# KiCad board main.kicad_pcb (continued)
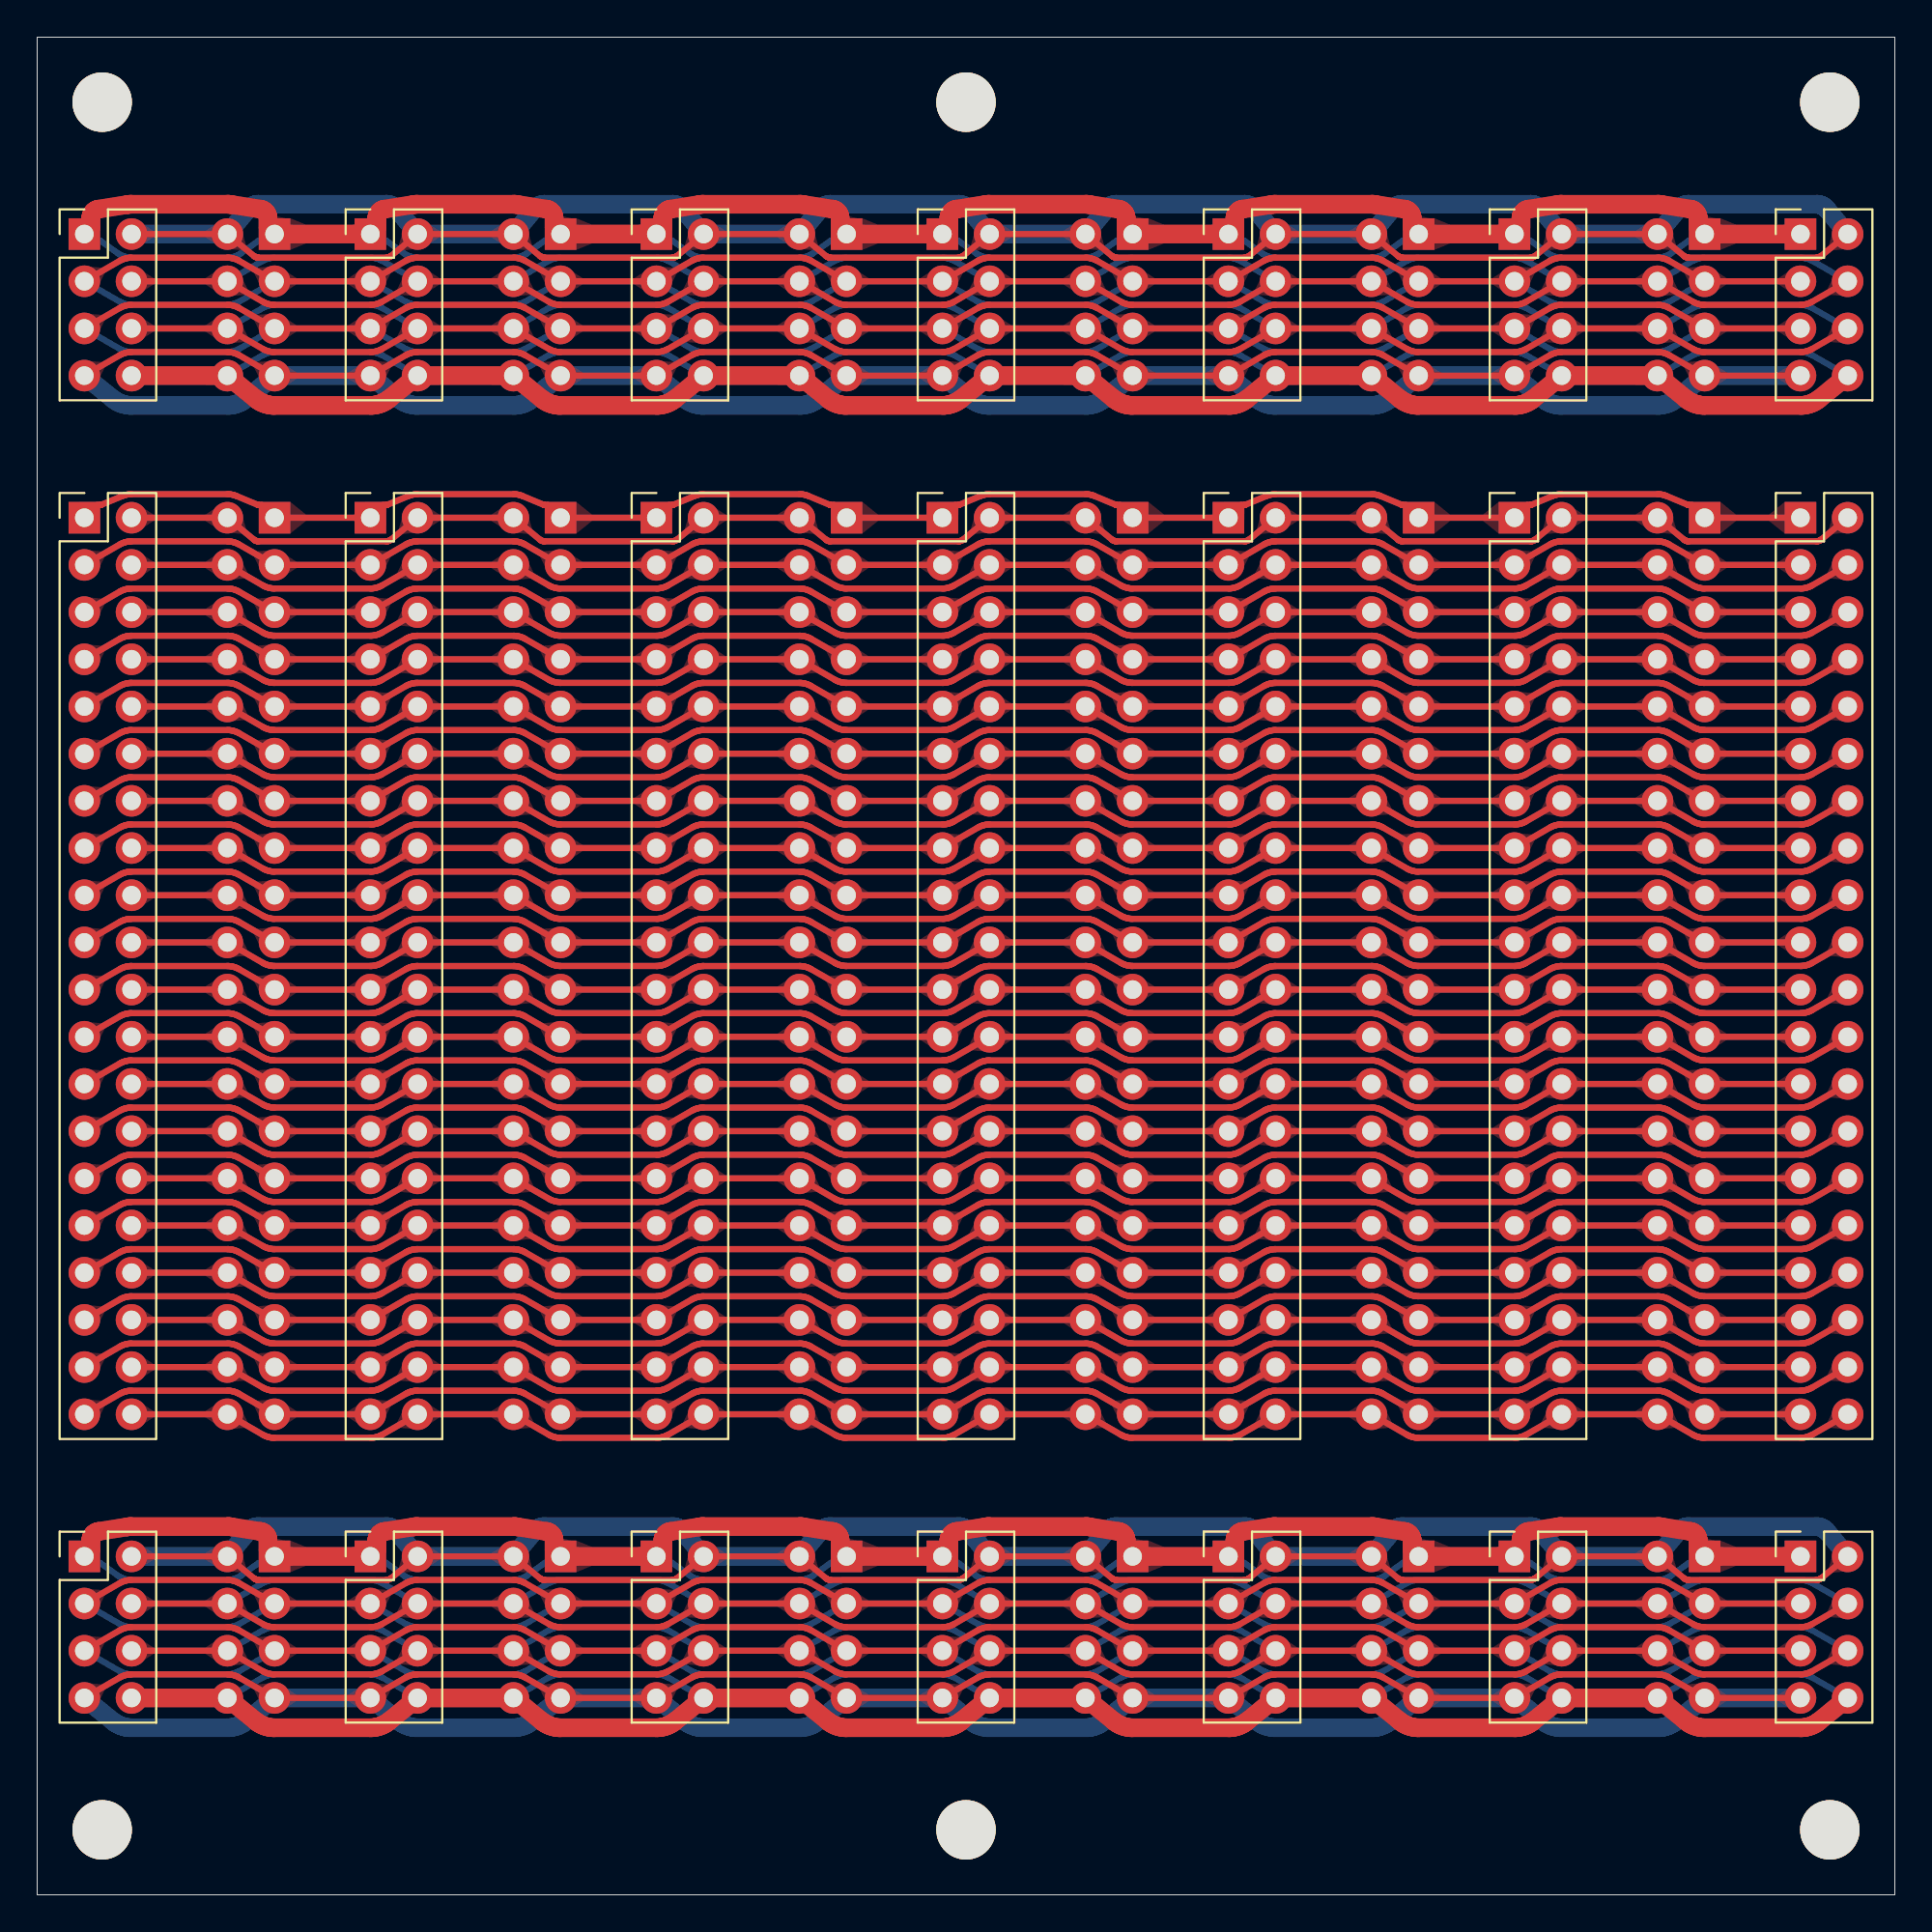
[diagram p0: board, top side]
## Routing (per net, layer and track width the routed paths; a pad name or vN(x,y) marks a point on that pad's centre or on a via; arc(x,y) is an arc through that point) (continued)
  Bottom w0.33: J29.19 J10.19 87.86,52.37 87.8,52.4 87.75,52.42 87.69,52.45 87.64,52.47 87.58,52.49 87.52,52.5 87.46,52.52 87.4,52.53 87.34,52.53 87.28,52.54 87.22,52.54 82.06,52.54 82,52.54 81.94,52.53 81.88,52.53 81.82,52.52 81.76,52.5 81.71,52.49 81.65,52.47 81.59,52.45 81.54,52.42 81.48,52.4 81.43,52.37 J30.19 J38.19 72.46,52.37 72.41,52.4 72.35,52.42 72.3,52.45 72.24,52.47 72.18,52.49 72.12,52.5 72.07,52.52 72.01,52.53 71.95,52.53 71.89,52.54 71.83,52.54 66.67,52.54 66.61,52.54 66.55,52.53 66.49,52.53 66.43,52.52 66.37,52.5 66.31,52.49 66.25,52.47 66.2,52.45 66.14,52.42 66.09,52.4 66.03,52.37 J25.19 J27.19 57.06,52.37 57.01,52.4 56.96,52.42 56.9,52.45 56.84,52.47 56.79,52.49 56.73,52.5 56.67,52.52 56.61,52.53 56.55,52.53 56.49,52.54 56.43,52.54 51.27,52.54 51.21,52.54 51.15,52.53 51.09,52.53 51.03,52.52 50.97,52.5 50.91,52.49 50.85,52.47 50.8,52.45 50.74,52.42 50.69,52.4 50.64,52.37 J11.19 J28.19 41.67,52.37 41.61,52.4 41.56,52.42 41.5,52.45 41.45,52.47 41.39,52.49 41.33,52.5 41.27,52.52 41.21,52.53 41.15,52.53 41.09,52.54 41.03,52.54 35.87,52.54 35.81,52.54 35.75,52.53 35.69,52.53 35.63,52.52 35.57,52.5 35.52,52.49 35.46,52.47 35.4,52.45 35.35,52.42 35.29,52.4 35.24,52.37 J13.19 J9.19 26.27,52.37 26.22,52.4 26.16,52.42 26.11,52.45 26.05,52.47 25.99,52.49 25.93,52.5 25.88,52.52 25.82,52.53 25.76,52.53 25.7,52.54 25.63,52.54 20.48,52.54 20.42,52.54 20.36,52.53 20.3,52.53 20.24,52.52 20.18,52.5 20.12,52.49 20.06,52.47 20.01,52.45 19.95,52.42 19.9,52.4 19.84,52.37 J12.19 J26.19 10.87,52.37 10.82,52.4 10.77,52.42 10.71,52.45 10.65,52.47 10.6,52.49 10.54,52.5 10.48,52.52 10.42,52.53 10.36,52.53 10.3,52.54 10.24,52.54 5.08,52.54 5.02,52.54 4.96,52.53 4.9,52.53 4.84,52.52 4.78,52.5 4.72,52.49 4.66,52.47 4.61,52.45 4.55,52.42 4.5,52.4 4.45,52.37 J3.19
~{F_EXMEM}: length 192.5
  Top w0.33: J3.4 J26.4 12.14,70.49 12.2,70.46 12.25,70.44 12.31,70.41 12.36,70.39 12.42,70.37 12.48,70.36 12.54,70.34 12.6,70.33 12.66,70.33 12.72,70.32 12.78,70.32 17.94,70.32 18,70.32 18.06,70.33 18.12,70.33 18.18,70.34 18.24,70.36 18.29,70.37 18.35,70.39 18.41,70.41 18.46,70.44 18.52,70.46 18.57,70.49 J12.4 J9.4 27.54,70.49 27.59,70.46 27.65,70.44 27.7,70.41 27.76,70.39 27.82,70.37 27.88,70.36 27.93,70.34 27.99,70.33 28.05,70.33 28.11,70.32 28.17,70.32 33.33,70.32 33.39,70.32 33.45,70.33 33.51,70.33 33.57,70.34 33.63,70.36 33.69,70.37 33.75,70.39 33.8,70.41 33.86,70.44 33.91,70.46 33.97,70.49 J13.4 J28.4 42.94,70.49 42.99,70.46 43.04,70.44 43.1,70.41 43.16,70.39 43.21,70.37 43.27,70.36 43.33,70.34 43.39,70.33 43.45,70.33 43.51,70.32 43.57,70.32 48.73,70.32 48.79,70.32 48.85,70.33 48.91,70.33 48.97,70.34 49.03,70.36 49.09,70.37 49.15,70.39 49.2,70.41 49.26,70.44 49.31,70.46 49.36,70.49 J11.4 J27.4 58.33,70.49 58.39,70.46 58.44,70.44 58.5,70.41 58.55,70.39 58.61,70.37 58.67,70.36 58.73,70.34 58.79,70.33 58.85,70.33 58.91,70.32 58.97,70.32 64.13,70.32 64.19,70.32 64.25,70.33 64.31,70.33 64.37,70.34 64.43,70.36 64.48,70.37 64.54,70.39 64.6,70.41 64.65,70.44 64.71,70.46 64.76,70.49 J25.4 J38.4 73.73,70.49 73.78,70.46 73.84,70.44 73.89,70.41 73.95,70.39 74.01,70.37 74.07,70.36 74.12,70.34 74.18,70.33 74.24,70.33 74.3,70.32 74.36,70.32 79.52,70.32 79.58,70.32 79.64,70.33 79.7,70.33 79.76,70.34 79.82,70.36 79.88,70.37 79.94,70.39 79.99,70.41 80.05,70.44 80.1,70.46 80.16,70.49 J30.4 J10.4 89.13,70.49 89.18,70.46 89.23,70.44 89.29,70.41 89.35,70.39 89.4,70.37 89.46,70.36 89.52,70.34 89.58,70.33 89.64,70.33 89.7,70.32 89.76,70.32 94.92,70.32 94.98,70.32 95.04,70.33 95.1,70.33 95.16,70.34 95.22,70.36 95.28,70.37 95.34,70.39 95.39,70.41 95.45,70.44 95.5,70.46 95.55,70.49 J29.4
  Bottom w0.33: J3.4 J26.4 12.14,70.49 12.2,70.46 12.25,70.44 12.31,70.41 12.36,70.39 12.42,70.37 12.48,70.36 12.54,70.34 12.6,70.33 12.66,70.33 12.72,70.32 12.78,70.32 17.94,70.32 18,70.32 18.06,70.33 18.12,70.33 18.18,70.34 18.24,70.36 18.29,70.37 18.35,70.39 18.41,70.41 18.46,70.44 18.52,70.46 18.57,70.49 J12.4 J9.4 27.54,70.49 27.59,70.46 27.65,70.44 27.7,70.41 27.76,70.39 27.82,70.37 27.88,70.36 27.93,70.34 27.99,70.33 28.05,70.33 28.11,70.32 28.17,70.32 33.33,70.32 33.39,70.32 33.45,70.33 33.51,70.33 33.57,70.34 33.63,70.36 33.69,70.37 33.75,70.39 33.8,70.41 33.86,70.44 33.91,70.46 33.97,70.49 J13.4 J28.4 42.94,70.49 42.99,70.46 43.04,70.44 43.1,70.41 43.16,70.39 43.21,70.37 43.27,70.36 43.33,70.34 43.39,70.33 43.45,70.33 43.51,70.32 43.57,70.32 48.73,70.32 48.79,70.32 48.85,70.33 48.91,70.33 48.97,70.34 49.03,70.36 49.09,70.37 49.15,70.39 49.2,70.41 49.26,70.44 49.31,70.46 49.36,70.49 J11.4 J27.4 58.33,70.49 58.39,70.46 58.44,70.44 58.5,70.41 58.55,70.39 58.61,70.37 58.67,70.36 58.73,70.34 58.79,70.33 58.85,70.33 58.91,70.32 58.97,70.32 64.13,70.32 64.19,70.32 64.25,70.33 64.31,70.33 64.37,70.34 64.43,70.36 64.48,70.37 64.54,70.39 64.6,70.41 64.65,70.44 64.71,70.46 64.76,70.49 J25.4 J38.4 73.73,70.49 73.78,70.46 73.84,70.44 73.89,70.41 73.95,70.39 74.01,70.37 74.07,70.36 74.12,70.34 74.18,70.33 74.24,70.33 74.3,70.32 74.36,70.32 79.52,70.32 79.58,70.32 79.64,70.33 79.7,70.33 79.76,70.34 79.82,70.36 79.88,70.37 79.94,70.39 79.99,70.41 80.05,70.44 80.1,70.46 80.16,70.49 J30.4 J10.4 89.13,70.49 89.18,70.46 89.23,70.44 89.29,70.41 89.35,70.39 89.4,70.37 89.46,70.36 89.52,70.34 89.58,70.33 89.64,70.33 89.7,70.32 89.76,70.32 94.92,70.32 94.98,70.32 95.04,70.33 95.1,70.33 95.16,70.34 95.22,70.36 95.28,70.37 95.34,70.39 95.39,70.41 95.45,70.44 95.5,70.46 95.55,70.49 J29.4
~{F_INTAK}: length 192.5
  Top w0.33: J29.13 J10.13 87.86,59.99 87.8,60.02 87.75,60.04 87.69,60.07 87.64,60.09 87.58,60.11 87.52,60.12 87.46,60.14 87.4,60.15 87.34,60.15 87.28,60.16 87.22,60.16 82.06,60.16 82,60.16 81.94,60.15 81.88,60.15 81.82,60.14 81.76,60.12 81.71,60.11 81.65,60.09 81.59,60.07 81.54,60.04 81.48,60.02 81.43,59.99 J30.13 J38.13 72.46,59.99 72.41,60.02 72.35,60.04 72.3,60.07 72.24,60.09 72.18,60.11 72.12,60.12 72.07,60.14 72.01,60.15 71.95,60.15 71.89,60.16 71.83,60.16 66.67,60.16 66.61,60.16 66.55,60.15 66.49,60.15 66.43,60.14 66.37,60.12 66.31,60.11 66.25,60.09 66.2,60.07 66.14,60.04 66.09,60.02 66.03,59.99 J25.13 J27.13 57.06,59.99 57.01,60.02 56.96,60.04 56.9,60.07 56.84,60.09 56.79,60.11 56.73,60.12 56.67,60.14 56.61,60.15 56.55,60.15 56.49,60.16 56.43,60.16 51.27,60.16 51.21,60.16 51.15,60.15 51.09,60.15 51.03,60.14 50.97,60.12 50.91,60.11 50.85,60.09 50.8,60.07 50.74,60.04 50.69,60.02 50.64,59.99 J11.13 J28.13 41.67,59.99 41.61,60.02 41.56,60.04 41.5,60.07 41.45,60.09 41.39,60.11 41.33,60.12 41.27,60.14 41.21,60.15 41.15,60.15 41.09,60.16 41.03,60.16 35.87,60.16 35.81,60.16 35.75,60.15 35.69,60.15 35.63,60.14 35.57,60.12 35.52,60.11 35.46,60.09 35.4,60.07 35.35,60.04 35.29,60.02 35.24,59.99 J13.13 J9.13 26.27,59.99 26.22,60.02 26.16,60.04 26.11,60.07 26.05,60.09 25.99,60.11 25.93,60.12 25.88,60.14 25.82,60.15 25.76,60.15 25.7,60.16 25.63,60.16 20.48,60.16 20.42,60.16 20.36,60.15 20.3,60.15 20.24,60.14 20.18,60.12 20.12,60.11 20.06,60.09 20.01,60.07 19.95,60.04 19.9,60.02 19.84,59.99 J12.13 J26.13 10.87,59.99 10.82,60.02 10.77,60.04 10.71,60.07 10.65,60.09 10.6,60.11 10.54,60.12 10.48,60.14 10.42,60.15 10.36,60.15 10.3,60.16 10.24,60.16 5.08,60.16 5.02,60.16 4.96,60.15 4.9,60.15 4.84,60.14 4.78,60.12 4.72,60.11 4.66,60.09 4.61,60.07 4.55,60.04 4.5,60.02 4.45,59.99 J3.13
  Bottom w0.33: J3.13 4.45,59.99 4.5,60.02 4.55,60.04 4.61,60.07 4.66,60.09 4.72,60.11 4.78,60.12 4.84,60.14 4.9,60.15 4.96,60.15 5.02,60.16 5.08,60.16 10.24,60.16 10.3,60.16 10.36,60.15 10.42,60.15 10.48,60.14 10.54,60.12 10.6,60.11 10.65,60.09 10.71,60.07 10.77,60.04 10.82,60.02 10.87,59.99 J26.13 J12.13 19.84,59.99 19.9,60.02 19.95,60.04 20.01,60.07 20.06,60.09 20.12,60.11 20.18,60.12 20.24,60.14 20.3,60.15 20.36,60.15 20.42,60.16 20.48,60.16 25.63,60.16 25.7,60.16 25.76,60.15 25.82,60.15 25.88,60.14 25.93,60.12 25.99,60.11 26.05,60.09 26.11,60.07 26.16,60.04 26.22,60.02 26.27,59.99 J9.13 J13.13 35.24,59.99 35.29,60.02 35.35,60.04 35.4,60.07 35.46,60.09 35.52,60.11 35.57,60.12 35.63,60.14 35.69,60.15 35.75,60.15 35.81,60.16 35.87,60.16 41.03,60.16 41.09,60.16 41.15,60.15 41.21,60.15 41.27,60.14 41.33,60.12 41.39,60.11 41.45,60.09 41.5,60.07 41.56,60.04 41.61,60.02 41.67,59.99 J28.13 J11.13 50.64,59.99 50.69,60.02 50.74,60.04 50.8,60.07 50.85,60.09 50.91,60.11 50.97,60.12 51.03,60.14 51.09,60.15 51.15,60.15 51.21,60.16 51.27,60.16 56.43,60.16 56.49,60.16 56.55,60.15 56.61,60.15 56.67,60.14 56.73,60.12 56.79,60.11 56.84,60.09 56.9,60.07 56.96,60.04 57.01,60.02 57.06,59.99 J27.13 J25.13 66.03,59.99 66.09,60.02 66.14,60.04 66.2,60.07 66.25,60.09 66.31,60.11 66.37,60.12 66.43,60.14 66.49,60.15 66.55,60.15 66.61,60.16 66.67,60.16 71.83,60.16 71.89,60.16 71.95,60.15 72.01,60.15 72.07,60.14 72.12,60.12 72.18,60.11 72.24,60.09 72.3,60.07 72.35,60.04 72.41,60.02 72.46,59.99 J38.13 J30.13 81.43,59.99 81.48,60.02 81.54,60.04 81.59,60.07 81.65,60.09 81.71,60.11 81.76,60.12 81.82,60.14 81.88,60.15 81.94,60.15 82,60.16 82.06,60.16 87.22,60.16 87.28,60.16 87.34,60.15 87.4,60.15 87.46,60.14 87.52,60.12 87.58,60.11 87.64,60.09 87.69,60.07 87.75,60.04 87.8,60.02 87.86,59.99 J10.13 J29.13
~{F_INT}: length 192.5
  Top w0.33: J3.22 J26.22 12.14,47.63 12.2,47.6 12.25,47.58 12.31,47.55 12.36,47.53 12.42,47.51 12.48,47.5 12.54,47.48 12.6,47.47 12.66,47.47 12.72,47.46 12.78,47.46 17.94,47.46 18,47.46 18.06,47.47 18.12,47.47 18.18,47.48 18.24,47.5 18.29,47.51 18.35,47.53 18.41,47.55 18.46,47.58 18.52,47.6 18.57,47.63 J12.22 J9.22 27.54,47.63 27.59,47.6 27.65,47.58 27.7,47.55 27.76,47.53 27.82,47.51 27.88,47.5 27.93,47.48 27.99,47.47 28.05,47.47 28.11,47.46 28.17,47.46 33.33,47.46 33.39,47.46 33.45,47.47 33.51,47.47 33.57,47.48 33.63,47.5 33.69,47.51 33.75,47.53 33.8,47.55 33.86,47.58 33.91,47.6 33.97,47.63 J13.22 J28.22 42.94,47.63 42.99,47.6 43.04,47.58 43.1,47.55 43.16,47.53 43.21,47.51 43.27,47.5 43.33,47.48 43.39,47.47 43.45,47.47 43.51,47.46 43.57,47.46 48.73,47.46 48.79,47.46 48.85,47.47 48.91,47.47 48.97,47.48 49.03,47.5 49.09,47.51 49.15,47.53 49.2,47.55 49.26,47.58 49.31,47.6 49.36,47.63 J11.22 J27.22 58.33,47.63 58.39,47.6 58.44,47.58 58.5,47.55 58.55,47.53 58.61,47.51 58.67,47.5 58.73,47.48 58.79,47.47 58.85,47.47 58.91,47.46 58.97,47.46 64.13,47.46 64.19,47.46 64.25,47.47 64.31,47.47 64.37,47.48 64.43,47.5 64.48,47.51 64.54,47.53 64.6,47.55 64.65,47.58 64.71,47.6 64.76,47.63 J25.22 J38.22 73.73,47.63 73.78,47.6 73.84,47.58 73.89,47.55 73.95,47.53 74.01,47.51 74.07,47.5 74.12,47.48 74.18,47.47 74.24,47.47 74.3,47.46 74.36,47.46 79.52,47.46 79.58,47.46 79.64,47.47 79.7,47.47 79.76,47.48 79.82,47.5 79.88,47.51 79.94,47.53 79.99,47.55 80.05,47.58 80.1,47.6 80.16,47.63 J30.22 J10.22 89.13,47.63 89.18,47.6 89.23,47.58 89.29,47.55 89.35,47.53 89.4,47.51 89.46,47.5 89.52,47.48 89.58,47.47 89.64,47.47 89.7,47.46 89.76,47.46 94.92,47.46 94.98,47.46 95.04,47.47 95.1,47.47 95.16,47.48 95.22,47.5 95.28,47.51 95.34,47.53 95.39,47.55 95.45,47.58 95.5,47.6 95.55,47.63 J29.22
  Bottom w0.33: J29.22 95.55,47.63 95.5,47.6 95.45,47.58 95.39,47.55 95.34,47.53 95.28,47.51 95.22,47.5 95.16,47.48 95.1,47.47 95.04,47.47 94.98,47.46 94.92,47.46 89.76,47.46 89.7,47.46 89.64,47.47 89.58,47.47 89.52,47.48 89.46,47.5 89.4,47.51 89.35,47.53 89.29,47.55 89.23,47.58 89.18,47.6 89.13,47.63 J10.22 J30.22 80.16,47.63 80.1,47.6 80.05,47.58 79.99,47.55 79.94,47.53 79.88,47.51 79.82,47.5 79.76,47.48 79.7,47.47 79.64,47.47 79.58,47.46 79.52,47.46 74.36,47.46 74.3,47.46 74.24,47.47 74.18,47.47 74.12,47.48 74.07,47.5 74.01,47.51 73.95,47.53 73.89,47.55 73.84,47.58 73.78,47.6 73.73,47.63 J38.22 J25.22 64.76,47.63 64.71,47.6 64.65,47.58 64.6,47.55 64.54,47.53 64.48,47.51 64.43,47.5 64.37,47.48 64.31,47.47 64.25,47.47 64.19,47.46 64.13,47.46 58.97,47.46 58.91,47.46 58.85,47.47 58.79,47.47 58.73,47.48 58.67,47.5 58.61,47.51 58.55,47.53 58.5,47.55 58.44,47.58 58.39,47.6 58.33,47.63 J27.22 J11.22 49.36,47.63 49.31,47.6 49.26,47.58 49.2,47.55 49.15,47.53 49.09,47.51 49.03,47.5 48.97,47.48 48.91,47.47 48.85,47.47 48.79,47.46 48.73,47.46 43.57,47.46 43.51,47.46 43.45,47.47 43.39,47.47 43.33,47.48 43.27,47.5 43.21,47.51 43.16,47.53 43.1,47.55 43.04,47.58 42.99,47.6 42.94,47.63 J28.22 J13.22 33.97,47.63 33.91,47.6 33.86,47.58 33.8,47.55 33.75,47.53 33.69,47.51 33.63,47.5 33.57,47.48 33.51,47.47 33.45,47.47 33.39,47.46 33.33,47.46 28.17,47.46 28.11,47.46 28.05,47.47 27.99,47.47 27.93,47.48 27.88,47.5 27.82,47.51 27.76,47.53 27.7,47.55 27.65,47.58 27.59,47.6 27.54,47.63 J9.22 J12.22 18.57,47.63 18.52,47.6 18.46,47.58 18.41,47.55 18.35,47.53 18.29,47.51 18.24,47.5 18.18,47.48 18.12,47.47 18.06,47.47 18,47.46 17.94,47.46 12.78,47.46 12.72,47.46 12.66,47.47 12.6,47.47 12.54,47.48 12.48,47.5 12.42,47.51 12.36,47.53 12.31,47.55 12.25,47.58 12.2,47.6 12.14,47.63 J26.22 J3.22
~{F_INUSE}: length 192.5
  Top w0.33: J3.15 4.45,57.45 4.5,57.48 4.55,57.5 4.61,57.53 4.66,57.55 4.72,57.57 4.78,57.58 4.84,57.6 4.9,57.61 4.96,57.61 5.02,57.62 5.08,57.62 10.24,57.62 10.3,57.62 10.36,57.61 10.42,57.61 10.48,57.6 10.54,57.58 10.6,57.57 10.65,57.55 10.71,57.53 10.77,57.5 10.82,57.48 10.87,57.45 J26.15 J12.15 19.84,57.45 19.9,57.48 19.95,57.5 20.01,57.53 20.06,57.55 20.12,57.57 20.18,57.58 20.24,57.6 20.3,57.61 20.36,57.61 20.42,57.62 20.48,57.62 25.63,57.62 25.7,57.62 25.76,57.61 25.82,57.61 25.88,57.6 25.93,57.58 25.99,57.57 26.05,57.55 26.11,57.53 26.16,57.5 26.22,57.48 26.27,57.45 J9.15 J13.15 35.24,57.45 35.29,57.48 35.35,57.5 35.4,57.53 35.46,57.55 35.52,57.57 35.57,57.58 35.63,57.6 35.69,57.61 35.75,57.61 35.81,57.62 35.87,57.62 41.03,57.62 41.09,57.62 41.15,57.61 41.21,57.61 41.27,57.6 41.33,57.58 41.39,57.57 41.45,57.55 41.5,57.53 41.56,57.5 41.61,57.48 41.67,57.45 J28.15 J11.15 50.64,57.45 50.69,57.48 50.74,57.5 50.8,57.53 50.85,57.55 50.91,57.57 50.97,57.58 51.03,57.6 51.09,57.61 51.15,57.61 51.21,57.62 51.27,57.62 56.43,57.62 56.49,57.62 56.55,57.61 56.61,57.61 56.67,57.6 56.73,57.58 56.79,57.57 56.84,57.55 56.9,57.53 56.96,57.5 57.01,57.48 57.06,57.45 J27.15 J25.15 66.03,57.45 66.09,57.48 66.14,57.5 66.2,57.53 66.25,57.55 66.31,57.57 66.37,57.58 66.43,57.6 66.49,57.61 66.55,57.61 66.61,57.62 66.67,57.62 71.83,57.62 71.89,57.62 71.95,57.61 72.01,57.61 72.07,57.6 72.12,57.58 72.18,57.57 72.24,57.55 72.3,57.53 72.35,57.5 72.41,57.48 72.46,57.45 J38.15 J30.15 81.43,57.45 81.48,57.48 81.54,57.5 81.59,57.53 81.65,57.55 81.71,57.57 81.76,57.58 81.82,57.6 81.88,57.61 81.94,57.61 82,57.62 82.06,57.62 87.22,57.62 87.28,57.62 87.34,57.61 87.4,57.61 87.46,57.6 87.52,57.58 87.58,57.57 87.64,57.55 87.69,57.53 87.75,57.5 87.8,57.48 87.86,57.45 J10.15 J29.15
  Bottom w0.33: J3.15 4.45,57.45 4.5,57.48 4.55,57.5 4.61,57.53 4.66,57.55 4.72,57.57 4.78,57.58 4.84,57.6 4.9,57.61 4.96,57.61 5.02,57.62 5.08,57.62 10.24,57.62 10.3,57.62 10.36,57.61 10.42,57.61 10.48,57.6 10.54,57.58 10.6,57.57 10.65,57.55 10.71,57.53 10.77,57.5 10.82,57.48 10.87,57.45 J26.15 J12.15 19.84,57.45 19.9,57.48 19.95,57.5 20.01,57.53 20.06,57.55 20.12,57.57 20.18,57.58 20.24,57.6 20.3,57.61 20.36,57.61 20.42,57.62 20.48,57.62 25.63,57.62 25.7,57.62 25.76,57.61 25.82,57.61 25.88,57.6 25.93,57.58 25.99,57.57 26.05,57.55 26.11,57.53 26.16,57.5 26.22,57.48 26.27,57.45 J9.15 J13.15 35.24,57.45 35.29,57.48 35.35,57.5 35.4,57.53 35.46,57.55 35.52,57.57 35.57,57.58 35.63,57.6 35.69,57.61 35.75,57.61 35.81,57.62 35.87,57.62 41.03,57.62 41.09,57.62 41.15,57.61 41.21,57.61 41.27,57.6 41.33,57.58 41.39,57.57 41.45,57.55 41.5,57.53 41.56,57.5 41.61,57.48 41.67,57.45 J28.15 J11.15 50.64,57.45 50.69,57.48 50.74,57.5 50.8,57.53 50.85,57.55 50.91,57.57 50.97,57.58 51.03,57.6 51.09,57.61 51.15,57.61 51.21,57.62 51.27,57.62 56.43,57.62 56.49,57.62 56.55,57.61 56.61,57.61 56.67,57.6 56.73,57.58 56.79,57.57 56.84,57.55 56.9,57.53 56.96,57.5 57.01,57.48 57.06,57.45 J27.15 J25.15 66.03,57.45 66.09,57.48 66.14,57.5 66.2,57.53 66.25,57.55 66.31,57.57 66.37,57.58 66.43,57.6 66.49,57.61 66.55,57.61 66.61,57.62 66.67,57.62 71.83,57.62 71.89,57.62 71.95,57.61 72.01,57.61 72.07,57.6 72.12,57.58 72.18,57.57 72.24,57.55 72.3,57.53 72.35,57.5 72.41,57.48 72.46,57.45 J38.15 J30.15 81.43,57.45 81.48,57.48 81.54,57.5 81.59,57.53 81.65,57.55 81.71,57.57 81.76,57.58 81.82,57.6 81.88,57.61 81.94,57.61 82,57.62 82.06,57.62 87.22,57.62 87.28,57.62 87.34,57.61 87.4,57.61 87.46,57.6 87.52,57.58 87.58,57.57 87.64,57.55 87.69,57.53 87.75,57.5 87.8,57.48 87.86,57.45 J10.15 J29.15
~{F_IN}: length 192.5
  Top w0.33: J3.20 J26.20 12.14,50.17 12.2,50.14 12.25,50.12 12.31,50.09 12.36,50.07 12.42,50.05 12.48,50.04 12.54,50.02 12.6,50.01 12.66,50.01 12.72,50 12.78,50 17.94,50 18,50 18.06,50.01 18.12,50.01 18.18,50.02 18.24,50.04 18.29,50.05 18.35,50.07 18.41,50.09 18.46,50.12 18.52,50.14 18.57,50.17 J12.20 J9.20 27.54,50.17 27.59,50.14 27.65,50.12 27.7,50.09 27.76,50.07 27.82,50.05 27.88,50.04 27.93,50.02 27.99,50.01 28.05,50.01 28.11,50 28.17,50 33.33,50 33.39,50 33.45,50.01 33.51,50.01 33.57,50.02 33.63,50.04 33.69,50.05 33.75,50.07 33.8,50.09 33.86,50.12 33.91,50.14 33.97,50.17 J13.20 J28.20 42.94,50.17 42.99,50.14 43.04,50.12 43.1,50.09 43.16,50.07 43.21,50.05 43.27,50.04 43.33,50.02 43.39,50.01 43.45,50.01 43.51,50 43.57,50 48.73,50 48.79,50 48.85,50.01 48.91,50.01 48.97,50.02 49.03,50.04 49.09,50.05 49.15,50.07 49.2,50.09 49.26,50.12 49.31,50.14 49.36,50.17 J11.20 J27.20 58.33,50.17 58.39,50.14 58.44,50.12 58.5,50.09 58.55,50.07 58.61,50.05 58.67,50.04 58.73,50.02 58.79,50.01 58.85,50.01 58.91,50 58.97,50 64.13,50 64.19,50 64.25,50.01 64.31,50.01 64.37,50.02 64.43,50.04 64.48,50.05 64.54,50.07 64.6,50.09 64.65,50.12 64.71,50.14 64.76,50.17 J25.20 J38.20 73.73,50.17 73.78,50.14 73.84,50.12 73.89,50.09 73.95,50.07 74.01,50.05 74.07,50.04 74.12,50.02 74.18,50.01 74.24,50.01 74.3,50 74.36,50 79.52,50 79.58,50 79.64,50.01 79.7,50.01 79.76,50.02 79.82,50.04 79.88,50.05 79.94,50.07 79.99,50.09 80.05,50.12 80.1,50.14 80.16,50.17 J30.20 J10.20 89.13,50.17 89.18,50.14 89.23,50.12 89.29,50.09 89.35,50.07 89.4,50.05 89.46,50.04 89.52,50.02 89.58,50.01 89.64,50.01 89.7,50 89.76,50 94.92,50 94.98,50 95.04,50.01 95.1,50.01 95.16,50.02 95.22,50.04 95.28,50.05 95.34,50.07 95.39,50.09 95.45,50.12 95.5,50.14 95.55,50.17 J29.20
  Bottom w0.33: J3.20 J26.20 12.14,50.17 12.2,50.14 12.25,50.12 12.31,50.09 12.36,50.07 12.42,50.05 12.48,50.04 12.54,50.02 12.6,50.01 12.66,50.01 12.72,50 12.78,50 17.94,50 18,50 18.06,50.01 18.12,50.01 18.18,50.02 18.24,50.04 18.29,50.05 18.35,50.07 18.41,50.09 18.46,50.12 18.52,50.14 18.57,50.17 J12.20 J9.20 27.54,50.17 27.59,50.14 27.65,50.12 27.7,50.09 27.76,50.07 27.82,50.05 27.88,50.04 27.93,50.02 27.99,50.01 28.05,50.01 28.11,50 28.17,50 33.33,50 33.39,50 33.45,50.01 33.51,50.01 33.57,50.02 33.63,50.04 33.69,50.05 33.75,50.07 33.8,50.09 33.86,50.12 33.91,50.14 33.97,50.17 J13.20 J28.20 42.94,50.17 42.99,50.14 43.04,50.12 43.1,50.09 43.16,50.07 43.21,50.05 43.27,50.04 43.33,50.02 43.39,50.01 43.45,50.01 43.51,50 43.57,50 48.73,50 48.79,50 48.85,50.01 48.91,50.01 48.97,50.02 49.03,50.04 49.09,50.05 49.15,50.07 49.2,50.09 49.26,50.12 49.31,50.14 49.36,50.17 J11.20 J27.20 58.33,50.17 58.39,50.14 58.44,50.12 58.5,50.09 58.55,50.07 58.61,50.05 58.67,50.04 58.73,50.02 58.79,50.01 58.85,50.01 58.91,50 58.97,50 64.13,50 64.19,50 64.25,50.01 64.31,50.01 64.37,50.02 64.43,50.04 64.48,50.05 64.54,50.07 64.6,50.09 64.65,50.12 64.71,50.14 64.76,50.17 J25.20 J38.20 73.73,50.17 73.78,50.14 73.84,50.12 73.89,50.09 73.95,50.07 74.01,50.05 74.07,50.04 74.12,50.02 74.18,50.01 74.24,50.01 74.3,50 74.36,50 79.52,50 79.58,50 79.64,50.01 79.7,50.01 79.76,50.02 79.82,50.04 79.88,50.05 79.94,50.07 79.99,50.09 80.05,50.12 80.1,50.14 80.16,50.17 J30.20 J10.20 89.13,50.17 89.18,50.14 89.23,50.12 89.29,50.09 89.35,50.07 89.4,50.05 89.46,50.04 89.52,50.02 89.58,50.01 89.64,50.01 89.7,50 89.76,50 94.92,50 94.98,50 95.04,50.01 95.1,50.01 95.16,50.02 95.22,50.04 95.28,50.05 95.34,50.07 95.39,50.09 95.45,50.12 95.5,50.14 95.55,50.17 J29.20
~{F_MREQ}: length 195.4
  Top w0.33: J29.2 96.04,72.96 96.02,72.94 96,72.93 95.99,72.92 95.97,72.91 95.95,72.9 95.93,72.89 95.91,72.89 95.89,72.88 95.87,72.87 95.85,72.87 95.83,72.87 95.81,72.86 95.79,72.86 95.77,72.86 88.91,72.86 88.89,72.86 88.87,72.86 88.85,72.87 88.83,72.87 88.81,72.87 88.79,72.88 88.77,72.89 88.75,72.89 88.73,72.9 88.71,72.91 88.7,72.92 88.68,72.93 88.66,72.94 88.64,72.96 J10.2 J30.2 80.64,72.96 80.62,72.94 80.61,72.93 80.59,72.92 80.57,72.91 80.55,72.9 80.53,72.89 80.52,72.89 80.5,72.88 80.48,72.87 80.46,72.87 80.44,72.87 80.41,72.86 80.39,72.86 80.37,72.86 73.52,72.86 73.49,72.86 73.47,72.86 73.45,72.87 73.43,72.87 73.41,72.87 73.39,72.88 73.37,72.89 73.35,72.89 73.34,72.9 73.32,72.91 73.3,72.92 73.28,72.93 73.26,72.94 73.25,72.96 J38.2 J25.2 65.24,72.96 65.23,72.94 65.21,72.93 65.19,72.92 65.18,72.91 65.16,72.9 65.14,72.89 65.12,72.89 65.1,72.88 65.08,72.87 65.06,72.87 65.04,72.87 65.02,72.86 65,72.86 64.98,72.86 58.12,72.86 58.1,72.86 58.08,72.86 58.06,72.87 58.04,72.87 58.02,72.87 58,72.88 57.98,72.89 57.96,72.89 57.94,72.9 57.92,72.91 57.9,72.92 57.88,72.93 57.87,72.94 57.85,72.96 J27.2 J11.2 49.85,72.96 49.83,72.94 49.81,72.93 49.8,72.92 49.78,72.91 49.76,72.9 49.74,72.89 49.72,72.89 49.7,72.88 49.68,72.87 49.66,72.87 49.64,72.87 49.62,72.86 49.6,72.86 49.58,72.86 42.72,72.86 42.7,72.86 42.68,72.86 42.66,72.87 42.64,72.87 42.62,72.87 42.6,72.88 42.58,72.89 42.56,72.89 42.54,72.9 42.52,72.91 42.51,72.92 42.49,72.93 42.47,72.94 42.45,72.96 J28.2 J13.2 34.45,72.96 34.43,72.94 34.42,72.93 34.4,72.92 34.38,72.91 34.36,72.9 34.34,72.89 34.33,72.89 34.31,72.88 34.29,72.87 34.27,72.87 34.25,72.87 34.22,72.86 34.2,72.86 34.18,72.86 27.33,72.86 27.3,72.86 27.28,72.86 27.26,72.87 27.24,72.87 27.22,72.87 27.2,72.88 27.18,72.89 27.16,72.89 27.15,72.9 27.13,72.91 27.11,72.92 27.09,72.93 27.07,72.94 27.06,72.96 J9.2 J12.2 19.05,72.96 19.04,72.94 19.02,72.93 19,72.92 18.99,72.91 18.97,72.9 18.95,72.89 18.93,72.89 18.91,72.88 18.89,72.87 18.87,72.87 18.85,72.87 18.83,72.86 18.81,72.86 18.79,72.86 11.93,72.86 11.91,72.86 11.89,72.86 11.87,72.87 11.85,72.87 11.83,72.87 11.81,72.88 11.79,72.89 11.77,72.89 11.75,72.9 11.73,72.91 11.71,72.92 11.69,72.93 11.68,72.94 11.66,72.96 J26.2 J3.2
  Bottom w0.33: J29.2 96.04,72.96 96.02,72.94 96,72.93 95.99,72.92 95.97,72.91 95.95,72.9 95.93,72.89 95.91,72.89 95.89,72.88 95.87,72.87 95.85,72.87 95.83,72.87 95.81,72.86 95.79,72.86 95.77,72.86 88.91,72.86 88.89,72.86 88.87,72.86 88.85,72.87 88.83,72.87 88.81,72.87 88.79,72.88 88.77,72.89 88.75,72.89 88.73,72.9 88.71,72.91 88.7,72.92 88.68,72.93 88.66,72.94 88.64,72.96 J10.2 J30.2 80.64,72.96 80.62,72.94 80.61,72.93 80.59,72.92 80.57,72.91 80.55,72.9 80.53,72.89 80.52,72.89 80.5,72.88 80.48,72.87 80.46,72.87 80.44,72.87 80.41,72.86 80.39,72.86 80.37,72.86 73.52,72.86 73.49,72.86 73.47,72.86 73.45,72.87 73.43,72.87 73.41,72.87 73.39,72.88 73.37,72.89 73.35,72.89 73.34,72.9 73.32,72.91 73.3,72.92 73.28,72.93 73.26,72.94 73.25,72.96 J38.2 J25.2 65.24,72.96 65.23,72.94 65.21,72.93 65.19,72.92 65.18,72.91 65.16,72.9 65.14,72.89 65.12,72.89 65.1,72.88 65.08,72.87 65.06,72.87 65.04,72.87 65.02,72.86 65,72.86 64.98,72.86 58.12,72.86 58.1,72.86 58.08,72.86 58.06,72.87 58.04,72.87 58.02,72.87 58,72.88 57.98,72.89 57.96,72.89 57.94,72.9 57.92,72.91 57.9,72.92 57.88,72.93 57.87,72.94 57.85,72.96 J27.2 J11.2 49.85,72.96 49.83,72.94 49.81,72.93 49.8,72.92 49.78,72.91 49.76,72.9 49.74,72.89 49.72,72.89 49.7,72.88 49.68,72.87 49.66,72.87 49.64,72.87 49.62,72.86 49.6,72.86 49.58,72.86 42.72,72.86 42.7,72.86 42.68,72.86 42.66,72.87 42.64,72.87 42.62,72.87 42.6,72.88 42.58,72.89 42.56,72.89 42.54,72.9 42.52,72.91 42.51,72.92 42.49,72.93 42.47,72.94 42.45,72.96 J28.2 J13.2 34.45,72.96 34.43,72.94 34.42,72.93 34.4,72.92 34.38,72.91 34.36,72.9 34.34,72.89 34.33,72.89 34.31,72.88 34.29,72.87 34.27,72.87 34.25,72.87 34.22,72.86 34.2,72.86 34.18,72.86 27.33,72.86 27.3,72.86 27.28,72.86 27.26,72.87 27.24,72.87 27.22,72.87 27.2,72.88 27.18,72.89 27.16,72.89 27.15,72.9 27.13,72.91 27.11,72.92 27.09,72.93 27.07,72.94 27.06,72.96 J9.2 J12.2 19.05,72.96 19.04,72.94 19.02,72.93 19,72.92 18.99,72.91 18.97,72.9 18.95,72.89 18.93,72.89 18.91,72.88 18.89,72.87 18.87,72.87 18.85,72.87 18.83,72.86 18.81,72.86 18.79,72.86 11.93,72.86 11.91,72.86 11.89,72.86 11.87,72.87 11.85,72.87 11.83,72.87 11.81,72.88 11.79,72.89 11.77,72.89 11.75,72.9 11.73,72.91 11.71,72.92 11.69,72.93 11.68,72.94 11.66,72.96 J26.2 J3.2
